# KiCad board MUX.kicad_pcb (continued)
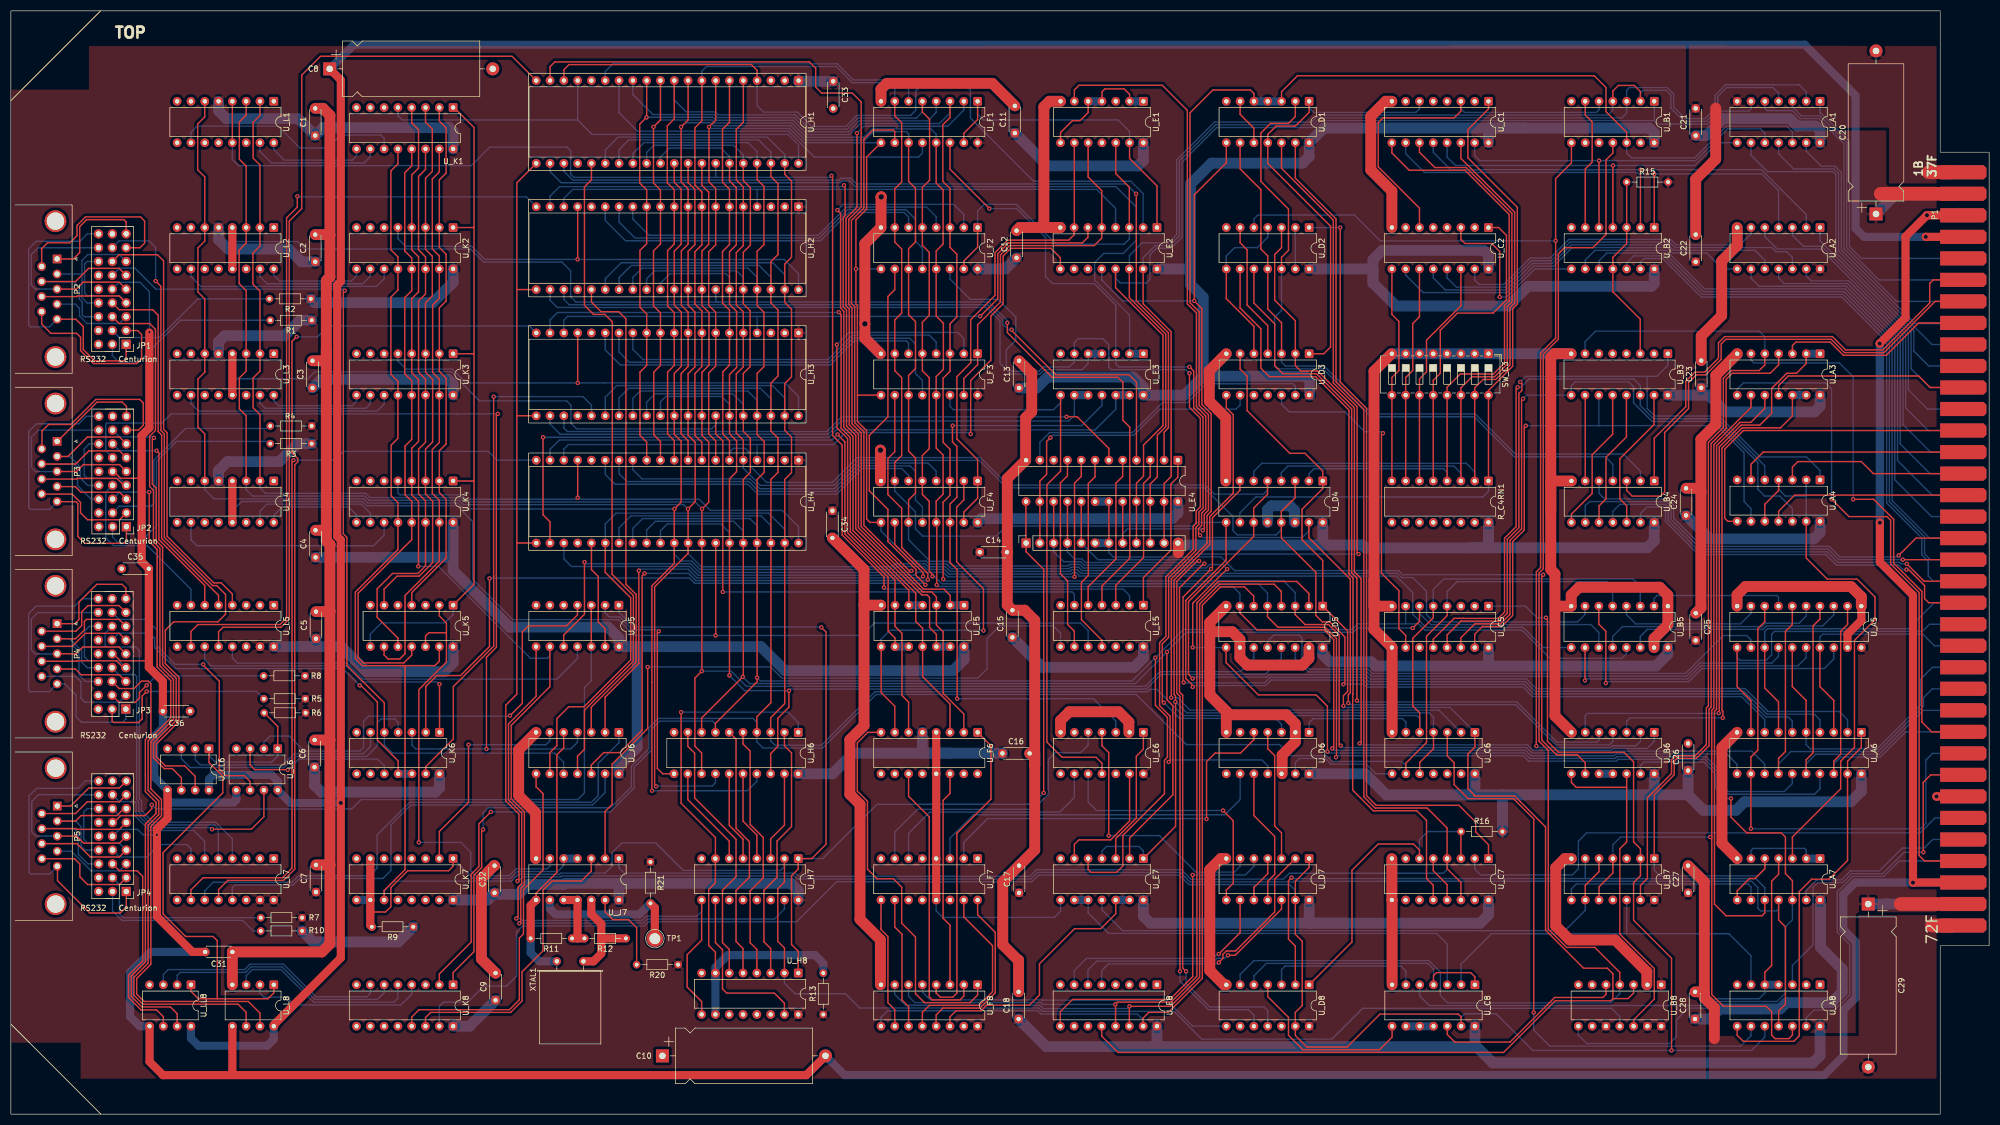
[diagram p0: board, top side]
## Routing (per net, layer and track width the routed paths; a pad name or vN(x,y) marks a point on that pad's centre or on a via; arc(x,y) is an arc through that point) (continued)
  Bottom w0.25: U_D6.3 233.8,71.71 232.68,72.83 215.03,72.83 212.16,75.69 v1(212.14,75.69) ; v1(180.04,166.63) 185.06,166.63 190.38,161.32 190.38,154.1 191.65,152.83 199.32,152.83 203.3,148.85 U_E3.3 203.3,138.03 203.84,137.49 v1(216.87,137.49)
/TxBE_{1}: length 167
  Top w0.25: v1(213.03,64.8) 213.3,65.07 213.3,73.21 211.36,75.15 211.36,86.76 212.53,87.93 212.53,98.89 217.54,103.9 217.54,108.16 218.09,108.71 218.09,110.98 218.86,111.74 218.86,128.05 216.87,130.04 v1(216.87,136.33)
  Bottom w0.25: U_D6.11 231.26,64.09 230.18,65.17 213.4,65.17 v1(213.03,64.8) ; v1(216.87,136.33) 216.21,136.98 202.47,136.98 202.01,137.44 202.01,141.61 200.94,142.67 196.37,142.67 195.68,141.98 U_E3.6 195.68,138.38 194.79,137.48 189.95,137.48 189.14,136.67 184.18,136.67 183.16,137.69 183.16,140.64 184.91,142.38 184.91,146.67 181.65,149.93 176.52,149.93 172.8,153.64 U_F2.14
/TxBE_{2}: length 103.1
  Top w0.25: U_E6.11 200.76,64.57 199.67,65.66 193.42,65.66 190.63,68.45 190.63,115.8 193.14,118.31 U_E3.8
  Bottom w0.25: U_F3.14 172.8,130.23 173.41,129.62 191.85,129.62 193.14,130.91 U_E3.8
/TxBE_{3}: length 115.5
  Top w0.25: v1(173.29,126.68) 173.26,126.64 173.26,123.67 174.07,122.86 174.07,113.51 172.8,112.24 U_F4.14 172.8,101.52 174.12,100.2 v1(174.12,76.44)
  Bottom w0.25: U_E6.3 203.3,72.34 199.2,76.44 v1(174.12,76.44) ; v1(173.29,126.68) 197.04,126.68 200.76,130.4 U_E3.11
/Write: length 129.2
  Top w0.25: U_D1.2 236.34,183.56 235.08,182.3 231.78,182.3 230,180.52 230,171.63 235.08,166.55 235.08,158.93 233.8,157.65 U_D2.12
  Bottom w0.25: U_D2.12 233.8,147.87 232.54,146.61 232.54,137.59 232.99,137.14 241.43,137.14 250.25,128.32 269.24,128.32 276.61,120.95 293.37,120.95 294.76,119.56 U_B4.4
/~{CauseHold}: length 58.8
  Top w1.5: U_F6.4 U_F7.13
  Bottom w0.25: U_E7.8 193.14,37.33 192,36.2 171.48,36.2 170.26,37.41 U_F7.13
/~{CommonAddressed}: length 194.4
  Top w0.25: U_B1.8 287.14,175.05 284.23,172.14 v1(284.23,160.69) 284.24,160.68 284.24,142.79 281.46,140.02 281.46,100.56 280.68,99.78 280.68,68.43 v1(280.68,67.72)
  Bottom w0.25: U_B6.2 299.84,68.62 299,67.78 294.67,67.78 294.34,67.45 280.96,67.45 v1(280.68,67.72) ; U_D2.5 228.72,164.71 229.44,165.43 247.22,165.43 251.96,160.69 v1(284.23,160.69)
/~{CommonRead}: length 278.8
  Top w0.25: U_B8.3 298.58,22.28 297.56,21.26 294.77,21.26 ; v1(245.19,75.1) 245.19,76.98 245.96,77.76 245.96,88.89 U_D5.1 241.38,101.88 237.57,105.69 237.57,111.28 241.38,115.09 U_D4.1 241.38,118.34 238.13,121.59 235.33,121.59 227.47,129.45 227.47,135.8 226.18,137.09 U_D3.6 ; 294.77,21.26 294.77,25.83 293.75,26.85 289.38,26.85 282.38,33.85 282.38,52.85 276.69,58.55 269.22,58.55 269.22,58.75 268.1,59.87 268.1,66.27 269.38,67.55 U_C6.1 ; 294.77,21.26 294.36,20.85 284.15,20.85 274.65,11.35 203.71,11.35 200.72,14.34 U_E8.12
  Bottom w0.25: U_C6.1 264.8,74.83 245.46,74.83 v1(245.19,75.1)
/~{CREndStrobe}: length 36.7
  Top w0.25: U_B8.5 293.5,22.02 292.94,21.46 284.06,21.46 275.85,13.26 265.69,13.26 264.3,14.64 U_C8.12
/~{CTS_{0}}: length 79.8
  Top w0.25: U_L5.4 40.75,95.7 38.7,97.76 37.32,97.76 28.74,106.34 28.74,125.38 28.1,126.01 28.1,157 26.97,158.14 19.92,158.14 JP1.20
/~{CTS_{1}}: length 40.7
  Top w0.25: v1(26.8,122.07) 27.24,121.64 27.24,105.72 35.67,97.28 U_L5.6
  Bottom w0.25: JP2.20 19.97,122.07 v1(26.8,122.07)
/~{CTS_{2}}: length 62.9
  Bottom w0.25: U_L7.4 40.75,50.64 38.67,52.73 38.66,52.73 37.68,53.71 37.55,53.71 37.55,53.71 36.49,53.71 26.15,53.71 24.04,55.81 24.04,57.64 23.64,58.04 23.64,85.3 22.99,85.95 17.55,85.95 17.35,86.16 17.35,88.49 JP3.20
/~{CTS_{3}}: length 22.6
  Bottom w0.25: U_L7.6 35.67,50.18 33.66,52.2 25.53,52.2 22.79,54.94 19.97,54.94 JP4.20
/~{DirectAddressed}: length 161
  Top w0.25: v1(248.16,68.22) 248.44,68.49 248.44,98.57 247.21,99.8 247.21,129.98 240.45,136.73 237.34,136.73 236.34,137.73 U_D3.2 236.34,145.98 232.54,149.78 232.54,158.17 233.8,159.43 U_D2.3
  Bottom w0.25: U_B6.1 302.38,68.6 301.06,67.28 294.88,67.28 294.55,66.95 280.09,66.95 279.09,67.95 248.44,67.95 v1(248.16,68.22)
/~{DirectRead}: length 185.6
  Top w0.25: U_D1.8 223.64,175.05 217.74,169.14 v1(217.74,149.62) 219.14,148.22 219.14,130.59 220.86,128.88 220.86,110.91 220.09,110.15 220.09,105.03 213.53,98.47 213.53,76.67 v1(213.49,76.63)
  Bottom w0.25: U_C6.2 262.76,74.33 216.97,74.33 214.67,76.63 v1(213.49,76.63) ; U_E2.12 200.72,153.46 204.56,149.62 v1(217.74,149.62)
/~{DirectWrite}: length 142.5
  Top w0.25: U_EB4.7 U_E4.19 ; v1(247.98,103.05) 247.71,103.32 247.71,130.18 243.33,134.56 243.33,164.5 233.8,174.02 U_D1.12
  Bottom w0.25: v1(247.98,103.05) 247.98,103.05 218.1,103.05 217.55,102.5 202.86,102.5 202.03,103.33 U_EB4.7
  Bottom w1.5: U_EB4.6 U_EB4.7 ; U_E4.18 U_E4.19
/~{ForceReset}: length 137.8
  Top w0.25: v1(281.96,99.25) 281.68,98.98 281.68,68.84 284.42,66.1 288.23,66.1 289.68,64.65 U_B6.9 ; U_EB4.5 U_E4.17
  Bottom w0.25: U_EB4.5 200.03,102 217.77,102 218.31,102.55 222.62,102.55 224.58,100.6 224.58,100.6 225.17,100 255.34,100 256.09,99.25 v1(281.96,99.25)
/~{ForceTXEInt}: length 59.4
  Top w0.25: v1(191.29,124.48) 190.58,123.78 190.58,117.74 189.33,116.49 U_EB4.2
  Bottom w0.25: v1(191.29,124.48) 191.71,124.91 206.59,124.91 211.4,129.72 225.43,129.72 226.18,130.47 U_D3.9
/~{INT_INH}: length 165.7
  Top w0.25: U_A3.9 320.19,130.02 313.34,123.18 313.34,74.7 312.96,74.32 312.96,21.99 315.1,19.85 322.97,19.85 323.98,18.85 323.98,14.53 324.62,13.89 327.15,13.89 327.81,14.54 U_A8.12 ; U_B7.4 294.76,44.37 292.22,41.83 U_B7.10
  Bottom w0.25: v1(312.69,50.98) 296.17,50.98 294.76,49.57 U_B7.4
/~{INT_Request}: length 225.7
  Top w0.25: U_A3.10 322.73,129.86 320.14,127.28 318.15,127.28 313.84,122.97 313.84,74.49 313.46,74.11 313.46,38.63 315.6,36.5 322.2,36.5 322.73,37.02 U_A7.10 ; U_D8.2 236.34,30.92 235.08,32.18 235.08,42.96 v1(235.64,43.51)
  Bottom w0.25: 289.69,43.34 289.68,43.35 U_B7.6 ; v1(235.64,43.51) 235.81,43.34 321.07,43.34 322.73,41.69 U_A7.10
/~{INTACK}: length 72.7
  Bottom w0.25: U_A8.6 320.19,29.12 316.11,33.2 272.42,33.2 266.84,27.62 U_C8.2 ; U_B7.12 297.3,36 297.31,35.99 297.31,33.2
/~{IntEnabled}: length 59.9
  Bottom w0.25: U_F8.5 167.72,22.48 169.17,21.02 189.76,21.02 189.82,20.96 212.66,20.96 217.45,16.18 U_D8.8
/~{InterruptsOFF}: length 137.8
  Top w0.25: v1(219.6,101.28) 219.45,101.28 215.03,96.86 215.03,77.67 215.62,77.09 215.62,26.88 v1(216.23,26.27) ; U_EB4.3 U_E4.15
  Bottom w0.25: v1(216.23,26.27) 216.23,24.05 220.56,19.73 230.57,19.73 231.26,19.03 U_D8.11 ; v1(219.6,101.28) 219.32,101 197.5,101 196.86,101.64 193.71,101.64 191.87,103.48 U_EB4.3
/~{InterruptsON}: length 132.1
  Top w0.25: v1(215.12,26.29) 215.12,76.88 214.53,77.47 214.53,98.06 218.25,101.78 v1(218.64,101.78) ; U_EB4.4 U_E4.16
  Bottom w0.25: v1(215.12,26.29) 215.12,24.46 220.35,19.23 227.71,19.23 228.72,18.22 U_D8.10 ; v1(218.64,101.78) 218.36,101.5 197.71,101.5 197.07,102.14 195.73,102.14 194.41,103.46 U_EB4.4
/~{INTHandled}: length 50.3
  Top w0.25: U_C8.4 261.76,25.49 262.31,26.04 268.61,26.04 269.38,25.26 U_C8.1
  Bottom w0.25: U_D8.5 228.72,25.44 231.02,27.74 260.72,27.74 261.76,26.69 U_C8.4
/~{LoadCBR}: length 213.3
  Top w0.25: 147.4,47.07 149.99,49.66 149.99,88.71 v1(149.13,89.57) ; 186.77,105.11 186.77,112.68 ; 147.4,47.02 U_H7.1 144.88,45.1 143.64,43.87 143.64,31.2 144.88,29.97 U_H8.1 ; U_EB4.1 186.79,103.48 190.04,100.24 v1(190.04,59.1)
  Bottom w0.25: v1(149.13,89.57) 149.06,89.64 129.95,89.64 129.94,89.62 114.6,89.62 111.88,92.34 U_J5.1 ; v1(190.04,59.1) 187.95,57.01 159.38,57.01 149.39,47.02 U_H7.1
/~{LoadCR_{0}}: length 29.3
  Top w0.25: U_E5.1 208.38,98.7 213.44,103.76 213.44,115.93 214.73,117.22 U_E4.1
/~{LoadCR_{1}}: length 29.3
  Top w0.25: U_E5.3 203.3,97.3 208.41,102.41 208.41,116.05 209.65,117.29 U_E4.3
/~{LoadCR_{2}}: length 29.3
  Top w0.25: U_E5.5 198.22,97.05 203.33,102.16 203.33,116.1 204.57,117.34 U_E4.5
/~{LoadCR_{3}}: length 36.9
  Top w0.25: U_E4.7 199.49,117.27 198.25,116.03 198.25,99.11 196.98,97.84 196.98,90.98 200.76,87.2 U_E5.11
/~{LoadIPL}: length 56.6
  Bottom w0.25: U_E4.11 189.33,123.62 191.12,125.41 206.39,125.41 211.9,130.92 216.48,130.92 219.96,134.39 235.89,134.39 236.34,133.94 U_D3.13
/~{LoadRTS}: length 35.9
  Top w0.25: U_E4.9 194.41,117.45 193.12,116.15 193.12,99.42 194.44,98.09 194.44,90.09 195.68,88.85 U_E5.9
/~{LoadTxB_{0}}: length 160.5
  Top w0.25: v1(207.04,169.34) 207.09,169.29 207.09,149.65 212.99,143.75 212.99,126.28 212.19,125.48 U_E4.2
  Bottom w0.25: U_H1.23 101.75,173.5 103.37,171.87 152.4,171.87 152.73,172.2 154.55,172.2 155.6,171.15 205.23,171.15 v1(207.04,169.34)
/~{LoadTxB_{1}}: length 128.4
  Top w0.25: v1(184.13,144.34) 184.13,144.19 192.26,136.07 205.72,136.07 207.11,134.68 U_E4.4
  Bottom w0.25: U_H2.23 101.75,149.92 102.74,148.93 179.73,148.93 182.5,146.15 182.5,145.36 183.52,144.34 v1(184.13,144.34)
/~{LoadTxB_{2}}: length 108.5
  Top w0.25: U_E4.6 202.03,122.48 196.21,128.31 v1(194.25,128.31)
  Bottom w0.25: v1(194.25,128.31) 194.24,128.3 152.84,128.3 150.15,125.6 102.39,125.6 101.75,126.25 U_H3.23
/~{LoadTxB_{3}}: length 120.7
  Top w0.25: U_E4.8 196.95,117.34 195.71,116.1 v1(195.71,98.87)
  Bottom w0.25: v1(195.71,98.87) 172.41,98.87 171.55,99.73 166.74,99.73 166.19,99.18 126.44,99.18 124.85,100.77 103.14,100.77 101.75,102.17 101.75,105.08
/~{ReadRxB_{0}}: length 139.8
  Top w0.25: U_H1.18 101.75,192.17 102.7,193.12 136.25,193.12 137.31,192.06 U_H1.4
  Bottom w0.25: U_E2.2 208.34,169.36 206.05,171.65 188.19,171.65 176.56,183.29 176.56,188.39 176.05,188.9 167.13,188.9 166.5,188.26 166.5,184.71 165.56,183.77 155.69,183.77 153.66,181.74 147.37,181.74 144.74,184.37 138.52,184.37 137.31,185.58 U_H1.4
/~{ReadRxB_{1}}: length 111.9
  Bottom w0.25: U_H2.18 101.75,168.5 103.41,170.15 137.29,170.15 ; 137.29,170.15 137.31,170.14 U_H2.4 ; 137.29,170.15 199.78,170.15 203.26,166.67 U_E2.4
/~{ReadRxB_{2}}: length 114.8
  Top w0.25: U_E2.6 198.18,161.35 197.14,160.31 183.57,160.31 181.58,158.31 181.58,150.03 v1(178.36,146.81)
  Bottom w0.25: 137.34,146.79 137.31,146.75 U_H3.4 ; 137.34,146.79 102.44,146.79 101.75,146.09 U_H3.18 ; 137.34,146.79 178.34,146.79 v1(178.36,146.81)
/~{ReadRxB_{3}}: length 130.3
  Top w0.25: U_E2.9 193.1,157.58 191.37,159.31 183.99,159.31 182.58,157.9 182.58,149.1 180.32,146.84 180.32,138.71 176.61,135 v1(176.61,125.13)
  Bottom w0.25: 137.32,123.2 151.36,123.2 152.88,124.73 152.88,124.74 153.55,125.41 176.39,125.41 176.61,125.18 v1(176.61,125.13) ; U_H4.18 101.75,122.37 102.58,123.2 137.31,123.2 U_H4.4
/~{ReadSR_{0}}: length 60.1
  Top w0.25: U_F1.1 177.88,183.01 175.34,180.47 U_F1.15 ; U_E2.1 210.88,170.81 205.84,175.85 U_E1.13
  Bottom w0.25: U_F1.1 177.88,184 178.95,182.93 203.71,182.93 205.84,180.8 U_E1.13
/~{ReadSR_{1}}: length 62.3
  Top w0.25: U_F2.15 175.34,156.97 177.88,159.51 U_F2.1 ; U_E1.12 203.3,173.05 205.8,170.55 U_E2.3
  Bottom w0.25: U_E2.3 205.8,161.02 204.85,160.07 192.33,160.07 189.21,163.2 189.2,163.2 185,167.4 179.09,167.4 177.88,166.19 U_F2.1
/~{ReadSR_{2}}: length 67.1
  Top w0.25: U_F3.15 175.34,135.36 177.88,137.9 U_F3.1 177.88,145.23 182.08,149.43 182.08,158.11 183.78,159.81 199.33,159.81 200.72,161.2 U_E2.5 200.72,169.92 198.22,172.42 U_E1.10
/~{ReadSR_{3}}: length 88
  Top w0.25: U_E2.7 195.64,161.8 194.64,160.81 183.37,160.81 181.08,158.52 181.08,150.65 176.61,146.18 176.61,138.25 174.07,135.71 174.07,124.23 177.88,120.42 U_F4.1 177.88,113.31 175.34,110.77 U_F4.15 ; U_E1.9 195.68,163.18
/~{Reset}: length 433.2
  Top w0.25: U_D7.1 238.88,45.38 236.34,42.84 U_D7.13 236.34,33.08 237.62,31.8 237.62,19.99 236.34,18.71 U_D8.13 236.34,14.48 238.47,12.35 245.87,12.35 251.92,18.41 266.33,18.41 266.84,17.89 U_C8.13 ; U_D7.10 228.72,41.7 231.27,44.25 231.26,44.26 U_D7.4 ; v1(305.58,11.72) 305.56,11.74 305.56,28.68 298.58,35.67 298.58,42.6 299.84,43.86 U_B7.2 299.84,48.83 298.58,50.09 298.58,64.82 296.8,66.6 284.74,66.6 282.73,68.6 282.73,91.07 v1(282.46,91.34)
  Bottom w0.25: 228.73,42.24 216.72,42.24 214.99,43.97 189.1,43.97 187.89,42.76 151.94,42.76 144.57,35.4 117.3,35.4 116.53,34.63 94.17,34.63 93.04,33.5 93.04,25.4 91.19,23.55 87,23.55 84.08,20.62 79.63,20.62 78.84,19.83 U_K8.15 ; 228.73,42.24 235.28,42.24 236.34,41.18 U_D7.13 ; 228.73,42.24 228.72,42.23 U_D7.10 ; U_C8.13 266.84,17.84 267.46,18.47 273.29,18.47 280.03,11.72 v1(305.58,11.72) 320.28,11.72 322.73,14.16 U_A8.10 ; U_C5.1 278.7,93.47 280.83,91.34 v1(282.46,91.34)
/~{RTS_REG_EN}: length 55.2
  Top w0.25: U_J7.3 106.8,44.72 104.98,42.9 99.6,42.9 97.92,41.22 97.92,30.05 94.05,26.18 94.05,20.82 91.95,18.72 77.24,18.72 76.3,17.77 U_K8.14
/~{RTS_{0}}: length 164.4
  Top w0.25: JP1.8 19.93,145.46 25.54,145.46 26.6,144.4 26.6,125.81 25.53,124.73 25.53,115.47 26.23,114.77 26.23,105.31 27.42,104.13 27.42,82.48 29.91,79.98 29.91,72.67 25.75,68.5 25.75,59.85 27.71,57.89 27.71,54.9 25.75,52.94 25.75,27.58 23.14,24.97 23.14,22.1 24.51,20.73 43.69,20.73 45.83,18.58 U_L8.7
/~{RTS_{1}}: length 130.4
  Top w0.25: v1(25.46,114.45) 25.46,105.38 26.92,103.92 26.92,82.27 29.41,79.78 29.41,72.87 25.25,68.71 25.25,59.59 27.21,57.63 27.21,55.11 25.25,53.15 25.25,27.78 22.64,25.18 22.64,21.89 24.31,20.23 41.8,20.23 43.3,18.74 U_L8.6
  Bottom w0.25: JP2.8 20.01,114.45 v1(25.46,114.45)
/~{RTS_{2}}: length 81.2
  Top w0.25: U_LL8.7 30.6,18.48 29.35,19.73 24.1,19.73 22.14,21.68 22.14,25.38 24.75,27.99 24.75,53.35 26.71,55.31 26.71,57.37 24.75,59.33 24.75,62.27 24.74,62.28 24.74,68.91 25.77,69.93 25.77,79.19 25.3,79.67 24.02,79.67 22.66,78.31 19.92,78.31 JP3.8
/~{RTS_{3}}: length 39.5
  Top w0.25: U_LL8.6 28.06,17.92 26.8,19.18 23.94,19.18 21.64,21.48 21.64,25.59 24.25,28.2 24.25,43.75 23.22,44.78 19.98,44.78 JP4.8
/~{RX_{0}}: length 67.3
  Top w0.25: U_L5.5 38.22,95.45 27.74,105.92 27.74,124.96 27.1,125.6 27.1,147 26.1,148 19.93,148 JP1.11
/~{RX_{1}}: length 32.7
  Bottom w0.25: U_L5.7 33.13,96.56 25.09,104.61 18.89,104.61 17.45,106.05 17.45,114.43 JP2.11
/~{RX_{2}}: length 51.6
  Bottom w0.25: JP3.11 19.89,80.87 22.81,80.87 23.14,80.54 23.14,57.83 23.54,57.43 23.54,55.6 25.94,53.21 36.7,53.21 36.7,53.21 37.34,53.21 37.34,53.21 37.48,53.21 38.16,52.52 38.16,47.07
/~{RX_{3}}: length 18.1
  Bottom w0.25: JP4.11 19.98,47.32 25.02,47.32 27.31,49.61 32.39,49.61 33.13,48.86 U_L7.7
/~{SelfReset}: length 113.5
  Top w0.25: U_A7.12 327.81,42.96 326.52,44.25 326.52,50.98 325.76,51.74 319.41,51.74 316.49,54.66 v1(316.49,58.08)
  Bottom w0.25: U_B6.13 299.84,64.13 300.49,64.78 311.49,64.78 313.6,62.67 313.6,60.07 315.59,58.08 v1(316.49,58.08) ; U_B8.8 288.42,14.53 289.95,13 305.18,13 306.45,14.27 306.45,17.32 308.62,19.49 312.63,19.49 313.87,20.73 324.97,20.73 326.52,22.28 326.52,34.47 327.81,35.75 U_A7.12
/~{StatusOut}: length 218
  Top w0.25: v1(246.08,75.65) 246.08,77.17 246.46,77.55 246.46,98.42 238.84,106.04 U_D4.15 ; U_E1.6 195.68,188.46 196.52,189.31 211.86,189.31 216.46,184.71 216.46,149.1 218.14,147.42 218.14,130.18 219.86,128.46 219.86,111.33 219.09,110.56 219.09,108.29 218.54,107.74 218.54,106.77 v1(218.81,106.5)
  Bottom w0.25: v1(246.08,75.65) 246.4,75.33 276.89,75.33 284.28,67.95 294.13,67.95 294.76,68.58 U_B6.4 ; U_D4.15 238.84,107.32 237.62,106.09 219.22,106.09 v1(218.81,106.5)
/~{SysDataOutEN}: length 76.4
  Top w0.25: U_A6.1 340.49,67.48 337.94,64.94 U_A6.19 337.94,46.66 334.52,43.23 331.35,43.23 329.06,40.94 329.06,14.4 328.05,13.39 318.76,13.39 317.64,14.51 U_A8.8
/~{TX_{0}_EIA}: length 168.3
  Top w0.25: U_K6.5 68.72,75.69 61.83,82.57 61.83,106.12 61.17,106.79 61.17,151.24 v1(61.44,151.51)
  Bottom w0.25: U_K6.5 68.72,67.94 70.23,66.42 100.05,66.42 101.72,64.76 U_J6.10 ; v1(61.44,151.51) 61.17,151.79 26.67,151.79 22.82,155.65 19.97,155.65 JP1.17
/~{TX_{0}}: length 131.8
  Top w0.25: U_LL6.7 33.91,62.15 31.99,64.08 28.43,64.08 26.75,65.76 26.75,68.09 30.91,72.25 30.91,80.4 28.42,82.9 28.42,89.04 29.96,90.59 38.09,90.59 39.5,92 39.5,95.63 37.87,97.26 37.12,97.26 28.24,106.13 28.24,125.17 27.6,125.81 27.6,152.32 v1(26.63,153.29)
  Bottom w0.25: v1(26.63,153.29) 26.63,159.49 25.44,160.68 19.92,160.68 JP1.23
/~{TX_{1}_EIA}: length 177.6
  Top w0.25: v1(89.6,128.85) 89.33,128.58 89.33,99.12 89.34,99.11 89.34,85.89 87.51,84.06 v1(87.51,67.2)
  Bottom w0.25: U_K6.3 73.8,67.9 73.79,67.89 74.49,67.2 v1(87.51,67.2) 87.52,67.18 103,67.18 104.26,68.44 U_J6.4 ; JP2.17 17.45,122.06 17.45,126.95 17.65,127.15 27.79,127.15 29.5,128.86 82.02,128.86 82.03,128.85 v1(89.6,128.85)
/~{TX_{1}}: length 79.7
  Top w0.25: U_LL6.6 31.37,61.9 29.7,63.58 28.22,63.58 26.25,65.55 26.25,68.29 30.41,72.46 30.41,80.19 27.92,82.69 27.92,104.33 26.74,105.51 26.74,115.21 26.03,115.92 26.03,124.14 v1(26.33,124.44)
  Bottom w0.25: JP2.23 19.97,124.61 26.15,124.61 v1(26.33,124.44)
/~{TX_{2}_EIA}: length 72.9
  Top w0.25: v1(64.19,78.88) 64.39,78.88 67.44,75.83 67.44,68.81 71.26,64.99 U_K6.11
  Bottom w0.25: v1(64.19,78.88) 61.09,81.98 30.32,81.98 26.45,85.85 26.45,87.57 25.53,88.49 19.89,88.49 JP3.17
  Bottom w1.5: U_K6.12 U_K6.11
/~{TX_{2}}: length 51.1
  Top w0.25: U_L6.6 44.02,61.19 42.93,62.28 39.57,62.28 38.36,63.5 38.36,79.65 35.39,82.63 v1(35.39,82.76)
  Bottom w0.25: v1(35.39,82.76) 30.25,82.76 26.95,86.06 26.95,89 24.92,91.03 19.89,91.03 JP3.23
/~{TX_{3}_EIA}: length 124.9
  Top w0.25: U_J5.12 U_J5.3 ; 18.95,53.67 20.22,54.94 24.67,54.94 25.93,56.2 v1(25.93,56.91)
  Bottom w0.25: v1(25.93,56.91) 26.68,56.16 50.96,56.16 50.99,56.13 61.18,56.13 61.2,56.16 62.72,56.16 64.44,57.88 104.32,57.88 105.54,59.11 105.54,78.51 106.8,79.77 U_J5.12
/~{TX_{3}}: length 37.4
  Top w0.25: U_L6.7 46.56,54.74 44.26,52.43 v1(37.02,52.43)
  Bottom w0.25: JP4.23 19.95,57.5 22.77,57.5 23.04,57.23 23.04,55.39 25.73,52.71 36.76,52.71 37.02,52.44 v1(37.02,52.43)
Sys.Clock: length 97.6
  Bottom w0.25: P1.31 354.05,54.5 351.3,51.75 289.96,51.75 288.42,50.22 288.42,45.14 287.3,44.01 270.44,44.01 269.34,45.11 U_C7.2
Sys.INT_IN: length 54.8
  Bottom w0.25: P1.33 347.47,46.58 344.63,43.75 338.91,43.75 336.05,40.88 336.05,33.49 338.35,31.19 338.35,21.91 335.56,19.12 331.75,19.12 330.35,17.72 U_A8.13
Sys.INT_OUT: length 122.6
  Top w0.25: v1(335.03,113.13) 338.21,109.95 345.23,109.95 345.87,109.3 345.87,101.22 351.12,95.97 351.12,47.58 352.12,46.58 P1.69
  Bottom w0.25: U_A3.8 317.64,133.42 318.77,134.54 333.89,134.54 335,133.43 335,113.15 v1(335.03,113.13)
Sys.~{A_{0}}: length 48.9
  Bottom w0.25: U_A1.1 332.88,184.19 333.06,184.19 338.29,178.96 338.29,159.64 340.47,157.46 P1.5
Sys.~{A_{1}}: length 55
  Bottom w0.25: P1.6 343.72,153.5 337.79,159.43 337.79,178.76 332.85,183.69 329.44,183.69 327.81,185.33 U_A1.3
Sys.~{A_{2}}: length 61.9
  Bottom w0.25: U_A1.5 322.73,185.1 322.71,185.09 323.15,184.65 327.78,184.65 329.23,183.19 332.65,183.19 337.29,178.55 337.29,159.22 346.97,149.54 P1.7
Sys.~{A_{3}}: length 49.8
  Bottom w0.25: 357.14,145.47 350.34,145.47 336.79,159.02 336.79,173.27 335.63,174.42 333.12,174.42 330.35,177.2 U_A1.13
Sys.~{A_{4}}: length 56.9
  Bottom w0.25: U_A1.11 325.26,176.72 325.25,176.71 328.04,173.92 335.43,173.92 336.29,173.06 336.29,158.81 353.48,141.62 P1.9
Sys.~{A_{5}}: length 66
  Bottom w0.25: U_A1.9 320.19,176.44 323.2,173.42 335.22,173.42 335.79,172.85 335.79,158.51 350.14,144.16 350.14,140.39 352.87,137.66 P1.10
Sys.~{A_{6}}: length 42
  Bottom w0.25: U_A2.1 332.88,160.69 333.39,160.18 333.41,160.18 349.64,143.95 349.64,137.17 353.11,133.7 P1.11
Sys.~{A_{7}}: length 50.3
  Bottom w0.25: P1.12 352.66,129.74 349.14,133.26 349.14,143.74 333.2,159.68 329.83,159.68 327.81,161.71 U_A2.3
Sys.~{A_{8}}: length 59
  Bottom w0.25: P1.13 352.81,125.78 348.64,129.95 348.64,143.54 333,159.18 325,159.18 322.71,161.47 322.73,161.48 U_A2.5
Sys.~{A_{9}}: length 51.2
  Bottom w0.25: P1.14 353.21,121.82 348.14,126.89 348.14,143.33 338.14,153.33 331.25,153.33 330.35,154.24 U_A2.13
Sys.~{A_{10}}: length 60.2
  Bottom w0.25: P1.15 353.11,117.86 347.64,123.33 347.64,143.12 337.93,152.83 326.27,152.83 325.26,153.83 U_A2.11
Sys.~{A_{11}}: length 68.6
  Bottom w0.25: U_A2.9 320.19,153.83 321.69,152.33 337.73,152.33 347.14,142.92 347.14,120.27 353.51,113.9 P1.16
Sys.~{A_{12}}: length 105.5
  Bottom w0.25: U_B2.9 289.68,157.14 291.48,158.94 304.56,158.94 311.66,151.83 337.52,151.83 346.64,142.71 346.64,116.71 353.41,109.94 P1.17
Sys.~{A_{13}}: length 106.2
  Bottom w0.25: P1.18 353.05,105.98 346.14,112.89 346.14,142.5 337.31,151.33 311.46,151.33 304.35,158.44 293.64,158.44 292.22,157.02 U_B2.10
Sys.~{A_{14}}: length 103.9
  Bottom w0.25: P1.19 353.2,102.02 352.11,103.11 352.11,106.21 345.64,112.68 345.64,142.29 337.1,150.83 311.25,150.83 304.14,157.94 298.6,157.94 297.3,156.64 U_B2.12
Sys.~{A_{15}}: length 104.3
  Bottom w0.25: U_B2.13 299.84,156.79 300.49,157.44 303.94,157.44 311.04,150.33 336.9,150.33 345.14,142.09 345.14,112.48 351.61,106.01 351.61,102.9 352.81,101.71 352.81,98.98 353.73,98.06 P1.20
Sys.~{APRE}: length 35.3
  Top w0.25: P1.47 353.14,133.7 351.03,135.81 327.03,135.81 325.26,134.05 U_A3.11
Sys.~{CPL_{0}}: length 75
  Top w0.25: P1.54 350.54,105.98 v1(347.37,102.81)
  Bottom w0.25: U_B4.5 292.22,114.23 293.25,113.21 304.83,113.21 305.95,112.08 305.95,109.66 311.15,104.47 334.59,104.47 336.52,102.53 347.09,102.53 v1(347.37,102.81)
Sys.~{CPL_{1}}: length 76.8
  Top w0.25: P1.55 348.12,102.02 v1(348.11,102.03)
  Bottom w0.25: U_B4.9 289.68,111.93 290.45,112.7 304.63,112.7 305.45,111.87 305.45,109.45 310.94,103.97 334.38,103.97 336.32,102.03 v1(348.11,102.03)
Sys.~{CPL_{2}}: length 72.3
  Top w0.25: P1.56 352.03,98.06 v1(348.85,101.25)
  Bottom w0.25: U_B4.11 294.76,110.92 296.04,112.2 304.42,112.2 304.95,111.67 304.95,109.25 310.73,103.47 334.17,103.47 336.11,101.53 347.51,101.53 347.8,101.25 v1(348.85,101.25)
Sys.~{CPL_{3}}: length 69.5
  Top w0.25: v1(348.78,100.2) 349.19,100.2 352.12,97.26 352.12,94.86 352.89,94.1 P1.57
  Bottom w0.25: U_B4.13 299.84,110.51 301.03,111.7 304.05,111.7 304.45,111.3 304.45,109.04 310.53,102.97 333.97,102.97 335.9,101.03 347.31,101.03 348.14,100.2 v1(348.78,100.2)
Sys.~{D_{0}}: length 56.4
  Top w0.25: U_A6.7 325.25,75.88 322.7,78.41 322.7,85.85
  Bottom w0.25: P1.21 353.89,94.1 349.11,89.32 323.2,89.32 322.7,88.82 322.7,85.85
Sys.~{D_{1}}: length 63.3
  Top w0.25: U_A6.9 320.17,76.13 317.62,78.67 U_A5.11
  Bottom w0.25: U_A5.11 317.62,84 318.14,83.49 322.96,83.49 323.98,84.51 323.98,88.32 324.48,88.82 351.72,88.82 353.05,90.14 P1.22
Sys.~{D_{2}}: length 44.1
  Top w0.25: U_A5.17 332.87,78.67 335.41,76.12 335.4,76.12 335.4,70.25
  Bottom w0.25: P1.23 353.93,86.18 351.79,88.32 333.38,88.32 332.87,87.8 U_A5.17
Sys.~{D_{3}}: length 55.2
  Top w0.25: U_A5.15 327.79,78.67 330.33,76.12 330.32,76.12 U_A6.5
  Bottom w0.25: P1.24 353.57,82.22 351.42,80.07 351.42,75.26 343.37,67.21 331.12,67.21 330.32,68 U_A6.5
Sys.~{D_{4}}: length 72.4
  Top w0.25: U_A6.14 325.25,65.45 326.52,66.73 326.52,88.82 327.79,90.09 327.79,90.1 U_A5.6
  Bottom w0.25: P1.25 353.55,78.26 351.92,76.63 351.92,75.05 343.58,66.71 327.52,66.71 325.25,64.44 U_A6.14
Sys.~{D_{5}}: length 64.7
  Top w0.25: U_A6.16 330.32,65.2 331.6,66.47 331.6,89.84 332.87,91.1 U_A5.4
  Bottom w0.25: U_A6.16 330.32,64.44 332.1,66.21 343.78,66.21 351.87,74.3 P1.26
Sys.~{D_{6}}: length 58
  Top w0.25: 335.4,62.63 335.4,64.94 336.68,66.22 336.68,88.82 337.95,90.09 337.95,90.35 337.94,90.35 U_A5.2
  Bottom w0.25: P1.27 348.62,70.34 343.99,65.71 336.68,65.71 335.4,64.44 335.4,62.63
Sys.~{D_{7}}: length 91.6
  Top w0.25: 322.7,93.47 322.7,90.61 322.71,90.6 321.44,89.33 321.44,66.98 320.17,65.71 U_A6.12 320.17,52.53 v1(320.17,52.53)
  Bottom w0.25: P1.28 353.61,66.38 352.36,65.14 352.36,53.53 351.34,52.5 320.2,52.5 v1(320.17,52.53)
Sys.~{DRDY}: length 34.7
  Top w0.25: U_A3.3 327.81,141.42 328.45,142.06 334.75,142.06 337.19,139.62 345.06,139.62 351.02,145.58 P1.44
Sys.~{INR_{0}}: length 35.1
  Top w0.25: P1.52 328.23,113.9 325.26,110.94 U_A4.11
Sys.~{INR_{1}}: length 58.6
  Top w0.25: U_A4.8 315.92,109.07 315.34,109.65 315.34,122.35 318.77,125.78 P1.49
Sys.~{INR_{2}}: length 40.9
  Top w0.25: U_A4.6 320.19,119.57 322.43,121.82 P1.50
Sys.~{INR_{3}}: length 33.1
  Top w0.25: U_A4.3 327.81,119.06 328.81,120.07 340.49,120.07 342.7,117.86 P1.51
Sys.~{INTACK}: length 61.4
  Top w0.25: v1(351.9,48.18) 352.02,48.31 352.02,48.39 351.87,48.54 351.87,61.04 353.25,62.42 P1.65
  Bottom w0.25: v1(351.9,48.18) 348.36,48.18 344.43,44.25 338.7,44.25 337.06,42.6 332.5,42.6 331.6,41.71 331.6,31.17 327.81,27.37 U_A8.3
Sys.~{INTRQ}: length 98.6
  Top w0.25: v1(338.98,113.12) 342.76,113.12 346.43,109.45 346.43,101.37 351.62,96.18 351.62,72.15 353.44,70.34 P1.63
  Bottom w0.25: U_A3.6 320.19,138.72 320.68,138.23 336.43,138.23 338.98,135.67 v1(338.98,113.12)
Sys.~{RDIN}: length 83.3
  Top w0.25: U_B4.1 302.38,124.38 308.18,130.18 308.18,134.85 309.86,136.53 311.64,136.53 314.2,139.09 314.2,141.93 315.33,143.06 335.16,143.06 337.6,140.62 344.44,140.62 353.06,149.25 353.06,152.86 353.71,153.5 P1.42
Sys.~{Reset}: length 32.5
  Bottom w0.25: U_A7.13 330.35,41.16 332.29,43.1 336.85,43.1 338.49,44.75 343.78,44.75 348,48.96 352.06,48.96 353.64,50.54 P1.32
Sys.~{WTIN}: length 89.9
  Top w0.25: U_B4.3 297.3,114.74 298.33,113.71 303.52,113.71 304.3,114.48 304.3,125.42 308.69,129.81 308.69,134.59 310.11,136.02 311.84,136.02 314.7,138.88 314.7,141.72 315.54,142.56 334.96,142.56 337.4,140.12 344.65,140.12 354.06,149.54 P1.43
